# Altium PCB LimePSB-RPCM_1v5.PcbDoc (part 3 of 12)
Units mm, origin at the board's own origin, x right, y up, seen from the top; angles counter-clockwise.
Board outline 170 x 110 mm, 6 copper layers (Top, L2, L3, L4, L5, Bottom), stack 1.583 mm thick; 998 components, 580 nets, 4160 pads, 1908 vias.
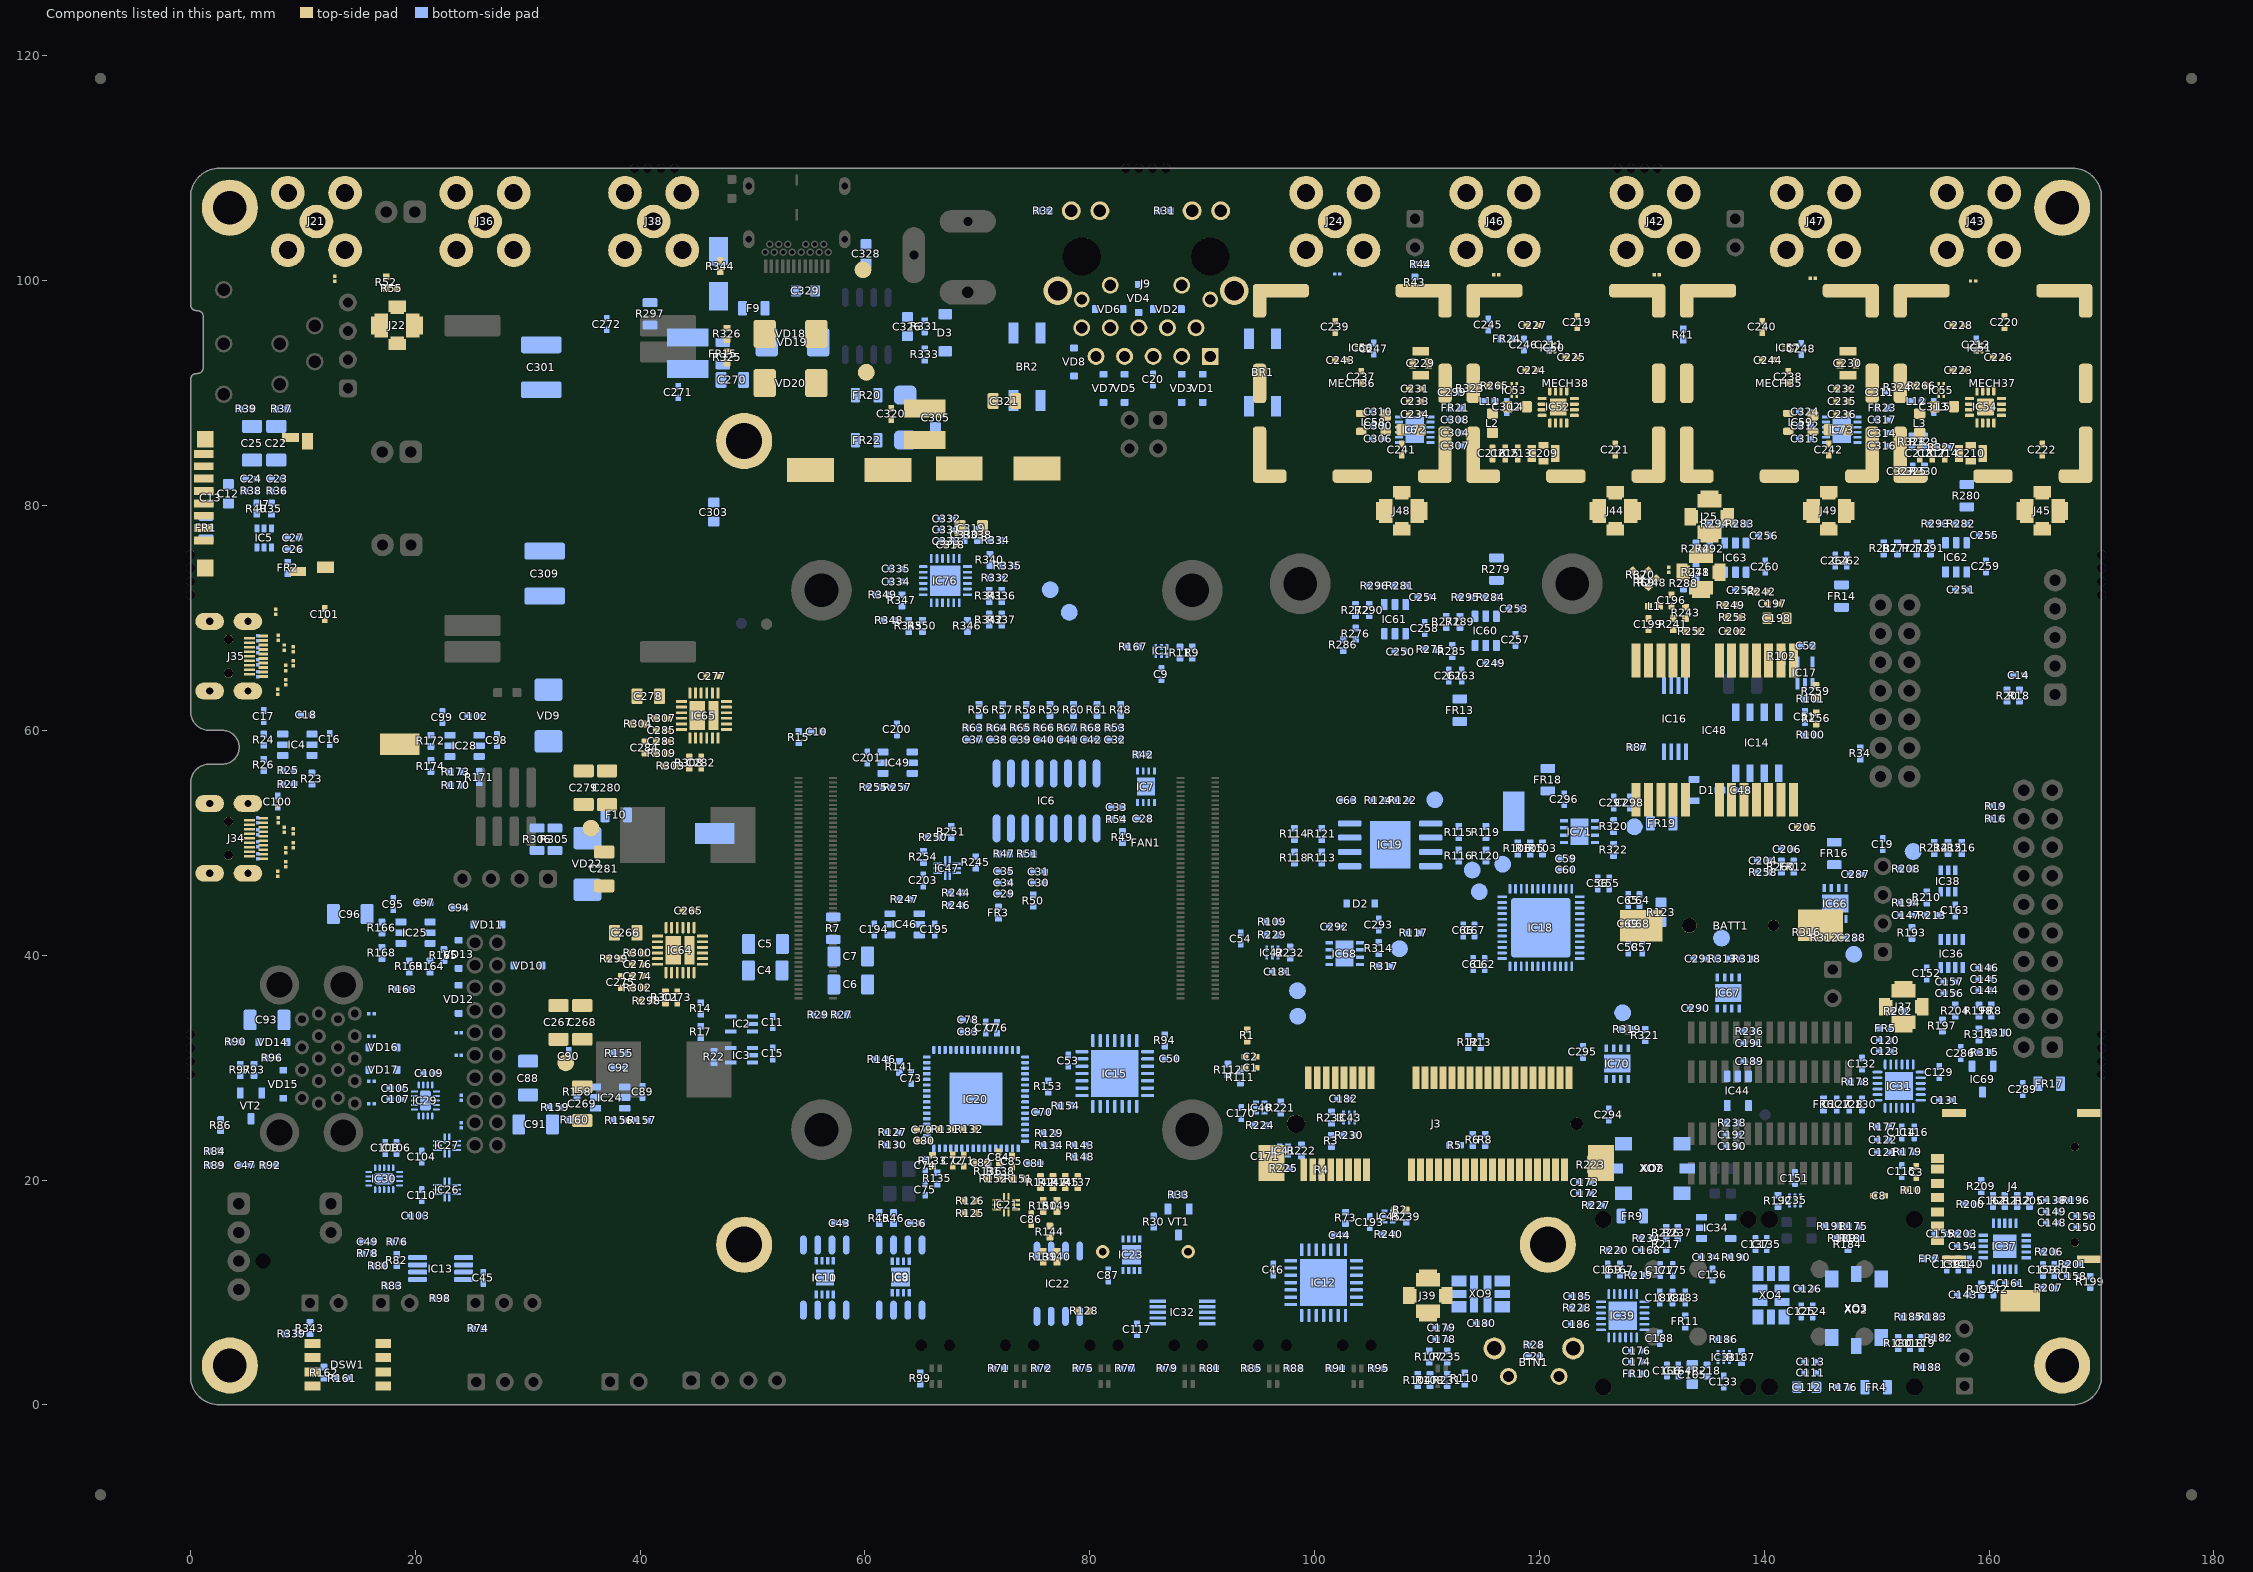
[diagram p7: the components of this part, seen from the top]

## Footprints (in the part's own frame and the unit in brackets; to place one, negate y for a bottom-side part, rotate by r counter-clockwise, add the part's x,y. Pads: shape width x height; smd on the part's side, far side on the other; paste and mask are expansions set on the pad) (continued)
LIGHT_PIPE_RIGHT_ANGLE_SLP3-200-100-F [mm]
  round 0.9 hole 1 unplated: 0(0,1.225) 0(0,-1.275)
  Top pour cut-out: 0,-1.275 -1.1,-1.275 -1.1,-1.166 -1.058,-0.954 -0.975,-0.754 -0.854,-0.573 -0.701,-0.42 -0.521,-0.3 -0.321,-0.217 -0.108,-0.175 0,-0.175 0,-0.175
  Top pour cut-out: 0,-1.275 1.1,-1.275 1.1,-1.383 1.058,-1.595 0.975,-1.796 0.854,-1.976 0.701,-2.129 0.521,-2.249 0.321,-2.332 0.108,-2.375 0,-2.375 0,-2.375
  Top pour cut-out: 0,-1.275 0,-2.375 -0.108,-2.375 -0.321,-2.332 -0.521,-2.249 -0.701,-2.129 -0.854,-1.976 -0.975,-1.796 -1.058,-1.595 -1.1,-1.383 -1.1,-1.275 -1.1,-1.275
  Top pour cut-out: 0,-1.275 0,-0.175 0.108,-0.175 0.321,-0.217 0.521,-0.3 0.701,-0.42 0.854,-0.573 0.975,-0.754 1.058,-0.954 1.1,-1.166 1.1,-1.275 1.1,-1.275
  Top pour cut-out: 0,1.225 -1.1,1.225 -1.1,1.334 -1.058,1.546 -0.975,1.746 -0.854,1.927 -0.701,2.08 -0.521,2.2 -0.321,2.283 -0.108,2.325 0,2.325 0,2.325
  Top pour cut-out: 0,1.225 1.1,1.225 1.1,1.117 1.058,0.905 0.975,0.704 0.854,0.524 0.701,0.371 0.521,0.251 0.321,0.168 0.108,0.125 0,0.125 0,0.125
  Top pour cut-out: 0,1.225 0,0.125 -0.108,0.125 -0.321,0.168 -0.521,0.251 -0.701,0.371 -0.854,0.524 -0.975,0.704 -1.058,0.905 -1.1,1.117 -1.1,1.225 -1.1,1.225
  Top pour cut-out: 0,1.225 0,2.325 0.108,2.325 0.321,2.283 0.521,2.2 0.701,2.08 0.854,1.927 0.975,1.746 1.058,1.546 1.1,1.334 1.1,1.225 1.1,1.225
  silkscreen extent 0.89,-2.29 5.3,2.21, body extent -1.07,-2.32 7.82,2.21, height 6.62
LMK00105SQ [mm] "QFN, 24-Leads, Body 4,00x4,00mm, Pitch 0,50mm, Thermal Pad 2,60x2,60mm, IPC Medium Density"
  oval 0.9x0.25 smd mask+0.05: 1(-1.925,1.25) 2(-1.925,0.75) 3(-1.925,0.25) 4(-1.925,-0.25) 5(-1.925,-0.75) 6(-1.925,-1.25) 13(1.925,-1.25) 14(1.925,-0.75) 15(1.925,-0.25) 16(1.925,0.25) 17(1.925,0.75) 18(1.925,1.25)
  oval 0.25x0.9 smd mask+0.05: 7(-1.25,-1.925) 8(-0.75,-1.925) 9(-0.25,-1.925) 10(0.25,-1.925) 11(0.75,-1.925) 12(1.25,-1.925) 19(1.25,1.925) 20(0.75,1.925) 21(0.25,1.925) 22(-0.25,1.925) 23(-0.75,1.925) 24(-1.25,1.925)
  rect 2.5x2.5 smd mask+0.05: 25(0,0)
  silkscreen extent -2.3,-2.3 2.3,2.3, body extent -2,-2 2,2, height 1
LTC5587_DFN12 [mm]
  rect 0.7x0.25 smd mask+0.05: 1(-1.4,1.125) 2(-1.4,0.675) 3(-1.4,0.225) 4(-1.4,-0.225) 5(-1.4,-0.675) 6(-1.4,-1.125) 7(1.4,-1.125) 8(1.4,-0.675) 9(1.4,-0.225) 10(1.4,0.225) 11(1.4,0.675) 12(1.4,1.125)
  rect 1.65x2.4 smd mask+0.05: PAD(0,0)
  silkscreen extent -1.45,-1.5 0.9,1.72, body extent -1.5,-1.5 1.5,1.5, height 0.76
M24128-DFMC6TG [mm] "8-UFDFPN (2x3)"
  rect 0.65x0.3 smd mask+0.045: 1(-1.4,0.75) 2(-1.4,0.25) 3(-1.4,-0.25) 4(-1.4,-0.75) 5(1.4,-0.75) 6(1.4,-0.25) 7(1.4,0.25) 8(1.4,0.75)
  rect 1.7x1.7 smd mask+0.05: PAD(0,0)
  silkscreen extent -2.06,-1.1 0.9,1.1, body extent -1.52,-1.01 1.52,0.99, height 0.9
MCP3208-CI/SL_SOIC16 [mm] "SOIC, 16-Leads, Body 9.9x3.9mm, Pitch 1.27mm, IPC Low Density"
  oval 2.5x0.7 smd: 1(-2.45,4.445) 2(-2.45,3.175) 3(-2.45,1.905) 4(-2.45,0.635) 5(-2.45,-0.635) 6(-2.45,-1.905) 7(-2.45,-3.175) 8(-2.45,-4.445) 9(2.45,-4.445) 10(2.45,-3.175) 11(2.45,-1.905) 12(2.45,-0.635) 13(2.45,0.635) 14(2.45,1.905) 15(2.45,3.175) 16(2.45,4.445)
  silkscreen extent -2.57,-5 0.8,5.47, body extent -3,-4.95 3,4.95, height 1.4
MCP23017-E/ML_QFN28 [mm]
  rrect50% 1.15x0.3 smd mask+0.05: 1(-2.925,1.95) 2(-2.925,1.3) 3(-2.925,0.65) 4(-2.925,0) 5(-2.925,-0.65) 6(-2.925,-1.3) 7(-2.925,-1.95) 15(2.925,-1.95) 16(2.925,-1.3) 17(2.925,-0.65) 18(2.925,0) 19(2.925,0.65) 20(2.925,1.3) 21(2.925,1.95)
  rrect50% 0.3x1.15 smd mask+0.05: 8(-1.95,-2.925) 9(-1.3,-2.925) 10(-0.65,-2.925) 11(0,-2.925) 12(0.65,-2.925) 13(1.3,-2.925) 14(1.95,-2.925) 22(1.95,2.925) 23(1.3,2.925) 24(0.65,2.925) 25(0,2.925) 26(-0.65,2.925) 27(-1.3,2.925) 28(-1.95,2.925)
  rect 4.2x4.2 smd mask+0.05: PAD(0,0)
  silkscreen extent -3.5,-3.5 3.5,3.5, body extent -3.05,-3.05 3.05,3.05, height 1.01
MICRO_HDMI_Wurth_685119248123 [mm] "Also compatible with Molex 0467651301 and Amphenol 10118242-001RLF"
  rect 0.23x0.85 smd mask+0.03: 1(1.8,3.425) 3(1.4,3.425) 5(1,3.425) 7(0.6,3.425) 9(0.2,3.425) 11(-0.2,3.425) 13(-0.6,3.425) 15(-1,3.425) 17(-1.4,3.425) 19(-1.8,3.425)
  rect 0.23x1 smd mask+0.03: 2(1.6,2.2) 4(1.2,2.2) 6(0.8,2.2) 8(0.4,2.2) 10(0,2.2) 12(-0.4,2.2) 14(-0.8,2.2) 16(-1.2,2.2) 18(-1.6,2.2)
  round 0.81 hole 0.81 unplated: MH1(-1.5,0.33) MH2(1.5,0.33)
  oval 1.5x2.55 hole 0.65 slot 1.7 at 90 deg: Shell(-3.1,2.06) Shell(-3.1,-1.35) Shell(3.1,2.06) Shell(3.1,-1.35)
  silkscreen extent -3.25,0.2 3.25,3.75, body extent -3.25,-3.75 3.25,3.75, height 2.99
MICRO_SD_CARD_114-00841-68_v2 [mm]
  rect 0.7x1.75 smd mask+0.1: 1(3.2,-5.412) 6(-2.3,-5.412)
  rect 0.701x1.753 smd mask+0.1: 2(2.1,-5.412) 8(-4.5,-5.412)
  rect 0.701x1.752 smd mask+0.1: 3(1,-5.412) 4(-0.1,-5.412) 5(-1.2,-5.412) 7(-3.4,-5.412)
  rect 1.501x1.501 smd mask+0.1: 9(-5.8,-5.288)
  rect 1.502x1.502 smd mask+0.1: 10(5.65,-5.288)
  rect 0.801x1.501 smd mask+0.1: 11(-5.975,2.312)
  rect 0.8x1.401 smd mask+0.1: 12(5.975,2.963)
  rect 1.5x1 smd mask+0.1: 13(-5.62,3.812)
  rect 1.001x1.502 smd mask+0.1: 14(5.575,5.413)
  Top pour cut-out: 3.8,-1 -5.3,-1 -5.3,1.6 3.8,1.6
  Top pour cut-out: 1,3.1 -3,3.1 -3,5.7 1,5.7
  silkscreen extent -6,-6.6 5.5,6.7, body extent -6,-9.9 6,5.75, height 1.6
MINIPCIE_CONNECTOR_XTRX_V2 [mm]
  rect 0.6x2 smd paste+0 mask+0: 1(-11.8,-4.5) 2(-11.4,3.7) 3(-11,-4.5) 4(-10.6,3.7) 5(-10.2,-4.5) 6(-9.8,3.7) 7(-9.4,-4.5) 8(-9,3.7) 9(-8.6,-4.5) 10(-8.2,3.7) 11(-7.8,-4.5) 12(-7.4,3.7) 13(-7,-4.5) 14(-6.6,3.7) 15(-6.2,-4.5) 16(-5.8,3.7) 17(-2.2,-4.5) 18(-1.8,3.7) 19(-1.4,-4.5) 20(-1,3.7) 21(-0.6,-4.5) 22(-0.2,3.7) 23(0.2,-4.5) 24(0.6,3.7) 25(1,-4.5) 26(1.4,3.7) 27(1.8,-4.5) 28(2.2,3.7) 29(2.6,-4.5) 30(3,3.7) 31(3.4,-4.5) 32(3.8,3.7) 33(4.2,-4.5) 34(4.6,3.7) 35(5,-4.5) 36(5.4,3.7) 37(5.8,-4.5) 38(6.2,3.7) 39(6.6,-4.5) 40(7,3.7) 41(7.4,-4.5) 42(7.8,3.7) 43(8.2,-4.5) 44(8.6,3.7) 45(9,-4.5) 46(9.4,3.7) 47(9.8,-4.5) 48(10.2,3.7) 49(10.6,-4.5) 50(11,3.7) 51(11.4,-4.5) 52(11.8,3.7)
  rect 2.3x3.2 smd paste+0 mask+0: 53(-14.65,-3.9) 54(14.65,-3.9)
  round 1.6 hole 1.6 unplated paste-1000 mask+0: ""(-12.5,-0.4)
  round 1.1 hole 1.1 unplated paste-1000 mask+0: ""(12.5,-0.4)
  silkscreen extent -15.1,-6.22 15.1,4.2, body extent -14.95,-4.98 15.3,50.4, height 6.2
MMCX_UFL_conn_u [mm]
  rect 1.2x1.2 smd mask+0.05: 1(0,1.6) 2(0,-1.6)
  rect 1.55x1 smd mask+0.05: 1(0,1.7) 2(0,-1.7)
  rect 1.2x1.6 smd mask+0.05: 2(-1.7,0) 2(1.7,0)
  rect 1.2x2.15 smd mask+0.05: 2(-1.4,0) 2(1.4,0)
  silkscreen extent -2.3,-2.2 2.3,2.2, body extent -1.5,-1.55 1.5,1.55, height 1.25
NANO_SIM_SIM8066-6-1-14-01-A [mm]
  rect 0.8x1.14 smd mask+0.05: C1(0.25,7.37) C2(-2.29,7.37) C3(-4.83,7.37) C6(-1.02,7.37) C7(-3.56,7.37)
  rect 0.8x1.14 smd mask+0.1: C5(1.52,7.37) CD(2.47,7.37)
  rect 0.7x2.1 smd: G1(-6.5,5.89) G2(6.5,5.89) G3(-6.5,-6.11) G4(6.5,-6.11)
  round 0.75 hole 0.75 unplated mask+0: ""(-5,-4.86) ""(3.5,-4.86)
  Top keep-out region: 2,3.135 0.8,3.135 0.8,5.685 2,5.685
  Top keep-out region: -3.08,-0.915 -4.28,-0.915 -4.28,2.295 -3.08,2.295
  Top keep-out region: -0.54,-0.915 -1.74,-0.915 -1.74,2.295 -0.54,2.295
  Top keep-out region: 2,-0.915 0.8,-0.915 0.8,2.295 2,2.295
  Top keep-out region: 2.285,-6.56 0.435,-6.56 0.435,-3.16 2.285,-3.16
  Top keep-out region: -0.255,-6.56 -2.105,-6.56 -2.105,-3.16 -0.255,-3.16
  Top keep-out region: -2.795,-6.56 -4.645,-6.56 -4.645,-3.16 -2.795,-3.16
  silkscreen extent -6.55,-11.25 6.55,8.59, body extent -6.54,-7.19 6.55,7.39, height 1.44
NEO-7M/8M [mm]
  rect 3x0.8 smd: 1(6.2,-7) 2(6.2,-5.9) 3(6.2,-4.8) 4(6.2,-3.7) 5(6.2,-2.6) 6(6.2,-1.5) 7(6.2,-0.4) 8(6.2,2.6) 9(6.2,3.7) 10(6.2,4.8) 11(6.2,5.9) 12(6.2,7) 13(-6.2,7) 14(-6.2,5.9) 15(-6.2,4.8) 16(-6.2,3.7) 17(-6.2,2.6) 18(-6.2,-0.4) 19(-6.2,-1.5) 20(-6.2,-2.6) 21(-6.2,-3.7) 22(-6.2,-4.8) 23(-6.2,-5.9) 24(-6.2,-7)
  silkscreen extent -8.2,-8.1 8.3,7.9, body extent -6.1,-8 6.1,8, height 2.33
NRS4018T3R3MDGJ_inductor [mm]
  rect 1.6x3.7 smd mask+0.05: 1(-1.4,0) 2(1.4,0)
  silkscreen extent -0.5,-2 0.5,2, body extent -2,-2 2,2, height 1.89
NZH10C,115_shottky_diode_SOD123 [mm]
  round 0.508 on Mech14: 0(0,0)
  rrect25% 0.91x1.22 smd: A(1.65,0) C(-1.65,0)
  silkscreen extent -1.58,-1 1.45,0.85, body extent -1.95,-0.9 1.95,0.9, height 1.18
PCB_standoff [mm]
  round 5 hole 3: MH1(0,0)
  body extent -2.86,-2.5 2.91,2.5, height 5.2
PCF85063AT_RTC_SOIC-8 [mm]
  rect 1.525x0.65 smd: 1(-2.712,1.905) 2(-2.712,0.635) 3(-2.712,-0.635) 4(-2.712,-1.905) 5(2.712,-1.905) 6(2.712,-0.635) 7(2.712,0.635) 8(2.712,1.905)
  silkscreen extent -2.58,-2.45 1.6,2.83, body extent -3,-2.45 3,2.45, height 1.75
PCF85063AT_RTC_TSSOP8 [mm]
  rect 1.5x0.35 smd mask+0.05: 1(-2.95,0.975) 2(-2.95,0.325) 3(-2.95,-0.325) 4(-2.95,-0.975) 5(2.95,-0.975) 6(2.95,-0.325) 7(2.95,0.325) 8(2.95,0.975)
  silkscreen extent -3.08,-1.5 1.75,1.68, body extent -3.2,-1.5 3.2,1.5, height 1.2
RAKON_RPT7050A [mm] "Rakon's Pluto+ ASIC"
  rect 1.5x1.2 smd: 1(2.45,2.2) 2(-2.75,2.2) 4(-2.75,-2.2) 5(2.45,-2.2)
  rect 1.4x0.9 smd: 3(-3.2,0) 6(3.2,0)
  body extent 4.15,1.8 4.25,1.9, height 0.1
RAKON_RTX5032A#1 [mm] "RAKON RTX5032A 40MHz Filter enabled, with VC, 10pin 5mm x 3.2mm"
  rect 1.35x1 smd mask+0.05: 1(-1.925,-1.15) 4(1.925,-1.15) 6(1.925,1.15) 9(-1.925,1.15)
  rect 0.7x1.35 smd paste-2 mask+0.05: 2(-0.6,-0.975) 3(0.6,-0.975) 7(0.6,0.975) 8(-0.6,0.975)
  rect 1.35x0.7 smd paste-2 mask+0.05: 5(1.925,0) 10(-1.925,0)
  silkscreen extent -3.2,-2.25 2.8,1.85, body extent -2.5,-1.6 2.5,1.6, height 0.9
RAKON_RTX5032A#2 [mm] "RAKON RTX5032A 40MHz Filter enabled, with VC, 10pin 5mm x 3.2mm"
  rect 1.35x1 smd mask+0.05: 1(-1.925,-1.15) 4(1.925,-1.15) 6(1.925,1.15) 9(-1.925,1.15)
  rect 0.7x1.35 smd mask+0.05: 2(-0.6,-0.975) 3(0.6,-0.975) 7(0.6,0.975) 8(-0.6,0.975)
  rect 1.35x0.7 smd mask+0.05: 5(1.925,0) 10(-1.925,0)
  silkscreen extent -3.2,-2.25 2.8,1.85, body extent -2.5,-1.6 2.5,1.6, height 0.9
RAKON_TXCO [mm] "30.72 MHz or 61.44 MHz"
  rect 1.5x1.2 smd: 1(2.45,2.2) 2(-2.75,2.2) 3(-2.75,-2.2) 4(2.45,-2.2)
  body extent -3.5,-2.3 3.2,2.3, height 2.4
RES0402#1 [mm] "Chip Resistor, Body 1.0x0.5mm, EIA 0402, IPC Medium Density"
  round 0.2 on Mech14: 0(0,0)
  rrect20% 0.6x0.6 smd: 1(-0.5,0) 2(0.5,0)
  Top pour cut-out: -0.2,0.35 0.2,0.35 0.2,-0.35 -0.2,-0.35
  silkscreen extent -1.05,-0.55 1.05,0.55, body extent -0.52,-0.27 0.53,0.28, height 0.4
RES0402#2 [mm] "Chip Resistor, Body 1.0x0.5mm, EIA 0402, IPC Medium Density"
  round 0.2 on Mech15: 0(0,0)
  rrect20% 0.6x0.6 smd: 1(-0.5,0) 2(0.5,0)
  Top pour cut-out: -0.2,0.35 0.2,0.35 0.2,-0.35 -0.2,-0.35
  silkscreen extent -1.05,-0.55 1.05,0.55, body extent -0.52,-0.27 0.53,0.28, height 0.4
RES0402_v2#1 [mm] "Chip Resistor, Body 1.0x0.5mm, EIA 0402, IPC Medium Density"
  round 0.2 on Mech15: 0(0,0)
  rrect20% 0.6x0.6 smd: 1(-0.5,0) 2(0.5,0)
  Top pour cut-out: -0.2,0.35 0.2,0.35 0.2,-0.35 -0.2,-0.35
  silkscreen extent -0.4,-0.55 0.4,0.55, body extent -0.52,-0.27 0.53,0.28, height 0.4
RES0402_v2#2 [mm] "Chip Resistor, Body 1.0x0.5mm, EIA 0402, IPC Medium Density"
  round 0.2 on Mech14: 0(0,0)
  rrect20% 0.6x0.6 smd: 1(-0.5,0) 2(0.5,0)
  Top pour cut-out: -0.2,0.35 0.2,0.35 0.2,-0.35 -0.2,-0.35
  silkscreen extent -0.4,-0.55 0.4,0.55, body extent -0.52,-0.27 0.53,0.28, height 0.4
RES0603#1 [mm] "Chip Resistor, Body 1.6x0.8mm, 0603, IPC Medium Density"
  round 0.254 on Mech15: 0(0,0)
  rrect25% 0.9x1 smd: 1(-0.85,0) 2(0.85,0)
  Top pour cut-out: -0.4,0.6 0.4,0.6 0.4,-0.6 -0.4,-0.6
  silkscreen extent -0.15,-0.56 0.15,0.56, body extent -0.87,-0.47 0.88,0.48, height 0.54
RES0603#2 [mm] "Chip Resistor, Body 1.6x0.8mm, 0603, IPC Medium Density"
  round 0.254 on Mech14: 0(0,0)
  rrect25% 0.9x1 smd: 1(-0.85,0) 2(0.85,0)
  Top pour cut-out: -0.4,0.6 0.4,0.6 0.4,-0.6 -0.4,-0.6
  silkscreen extent -0.15,-0.56 0.15,0.56, body extent -0.87,-0.47 0.88,0.48, height 0.54
RES0805 [mm] "Chip Resistor, Body 2.0x1.2mm, 0805, IPC Medium Density"
  round 0.254 on Mech14: 0(0,0)
  rrect25% 0.8x1.3 smd: 1(-1,0) 2(1,0)
  Top pour cut-out: -0.6,0.75 0.6,0.75 0.6,-0.75 -0.6,-0.75
  silkscreen extent -0.38,-0.64 0.38,0.64, body extent -1.1,-0.67 1.1,0.68, height 0.69
RF_SHIELD_COVER_16Px916P9_2118715-2 [mm]
  body extent -8.45,-8.45 8.45,8.45, height 4
RF_SHIELD_FRAME_16P5x16P5_2118716-2_v1 [mm]
  rrect50% 1.2x3.5 smd mask+0.05: 1(-8.25,0) 1(8.25,0)
  rrect50% 1.2x5 smd mask+0.05: 1(-8.25,-6.35) 1(8.25,-6.35)
  rrect50% 1.2x3 smd mask+0.05: 1(-8.25,7.35) 1(8.25,7.35)
  rrect50% 3x1.2 smd mask+0.05: 1(-7.35,-8.25) 1(7.35,-8.25)
  rrect50% 5x1.2 smd mask+0.05: 1(-6.35,8.25) 1(6.35,8.25)
  rrect50% 3.5x1.2 smd mask+0.05: 1(0,-8.25)
  body extent -8.25,-8.25 8.25,8.25, height 3.6
RJ45_ETHERNET_MAG_A70-112-331N126 [mm]
  rect 1.508x1.508 hole 1: 1(-5.715,6.475)
  round 1.508 hole 1: 2(-4.445,3.935) 3(-3.175,6.475) 4(-1.905,3.935) 5(-0.635,6.475) 6(0.635,3.935) 7(1.905,6.475) 8(3.175,3.935) 9(4.445,6.475) 10(5.715,3.935) 12(-3.175,0.145) 13(3.175,0.145)
  round 1.408 hole 0.9: 11(-5.715,1.415) 14(5.715,1.415)
  round 1.68 hole 1.12: 15(-6.64,-6.475) 16(-4.1,-6.475) 17(4.1,-6.475) 18(6.64,-6.475)
  round 2.55 hole 1.7: S1(-7.85,0.635) S2(7.85,0.635)
  round 3.35 hole 3.4 unplated: ""(-5.715,-2.415) ""(5.715,-2.415)
  KeepOutLayer region: -6.875,-2.415 -7.85,-2.415 -7.85,-0.415 -6.875,-0.415
  KeepOutLayer region: 7.85,-2.415 6.875,-2.415 6.875,-0.415 7.85,-0.415
  KeepOutLayer region: 7.005,-13.165 -7.005,-13.165 -7.005,-10.465 7.005,-10.465
  silkscreen extent -8.6,-13.16 7.95,8.19, body extent -8.07,-13.29 8.13,8.21, height 13.65
S25FL164K_WSON8_DFN6 [mm] "WSON8 and DFN8 6x5mm compatible footprint"
  rrect50% 2.1x0.55 smd mask+0.05: 1(-3.6,1.905) 2(-3.6,0.635) 3(-3.6,-0.635) 4(-3.6,-1.905) 5(3.6,-1.905) 6(3.6,-0.635) 7(3.6,0.635) 8(3.6,1.905)
  rect 3.6x4.2 smd mask+0.05: PAD(0,0)
  silkscreen extent -4.73,-2.7 2,2.72, body extent -4.15,-3 3.95,3, height 1.75
SC-70_NC7WZ16P6X [mm] "SC-70 (SOT323), 6 pin"
  round 0.5 on Mech14: 0(0,0)
  rrect25% 0.7x0.45 smd: 1(-0.85,0.65) 2(-0.85,0) 3(-0.85,-0.65) 4(0.85,-0.65) 5(0.85,0) 6(0.85,0.65)
  silkscreen extent -1.15,-1.1 0.3,1.5, body extent -1.05,-1 1.05,1, height 0.92
SK32A-L_DIODE_DO-214AC#1 [mm]
  round 0.508 on Mech14: 0(0,0)
  rrect25% 2x2.5 smd: A(2.3,0) K(-2.3,0)
  silkscreen extent -3.5,-2.2 3.5,1.7, body extent -2.7,-1.8 2.7,1.8, height 2.3
SK32A-L_DIODE_DO-214AC#2 [mm]
  round 0.508 on Mech15: 0(0,0)
  rrect25% 2x2.5 smd: A(2.3,0) K(-2.3,0)
  silkscreen extent -3.5,-2.2 3.5,1.7, body extent -2.7,-1.8 2.7,1.8, height 2.3
SMA_connector_side [mm]
  round 3 hole 1.6: 1(0,0) 2(-2.55,2.55) 2(-2.55,-2.55) 2(2.55,-2.55) 2(2.55,2.55)
  silkscreen extent -4.4,-4.3 4.4,4.3, body extent -15.8,-3.2 3.2,3.2, height 9.6
SMAJ12CA-13-F [mm]
  rect 2.5x1.7 smd: A(-2.05,0) K(1.95,0)
  silkscreen extent -3.7,-1.83 3.6,1.45, body extent -2.65,-1.3 2.65,1.3, height 1.79
SMAJ58A_SHOTTKY_DIODE [mm]
  rrect50% 1.7x2 smd mask+0.05: A(-2,0) K(2,0)
  silkscreen extent -3.1,-1.45 3.13,1.3, body extent -2.65,-1.3 2.65,1.3, height 2.89
SOD323 [mm] "SOD-323; 2 Leads; Body 1.8 x 1.35 mm, (LxW)"
  round 0.508 on Mech14: 0(0,0)
  rrect25% 0.6x0.7 smd: A(1.25,0) K(-1.25,0)
  silkscreen extent -0.63,-0.9 0.64,0.75, body extent -1.3,-0.68 1.3,0.67, height 1.1
SOIC127P600-8DL_v2 [mm] "8-Pin Small Outline Integrated Circuit 1.27 mm Pitch"
  oval 1.7x0.6 smd: 1(-2.95,1.905) 2(-2.95,0.635) 3(-2.95,-0.635) 4(-2.95,-1.905) 5(2.85,-1.905) 6(2.85,-0.635) 7(2.85,0.635) 8(2.85,1.905)
  silkscreen extent -2.57,-2.5 1.2,2.88, body extent -3,-2.45 3,2.45, height 1.75
SOT23-3 [mm] "SOT23, 3 pin"
  round 0.5 on Mech14: 0(0,0)
  rrect25% 1x0.6 smd: D(1.15,0) G(-1.15,0.95) S(-1.15,-0.95)
  silkscreen extent -1.25,-1.45 0.38,1.81, body extent -1.4,-1.45 1.4,1.45, height 1.29
SOT23-3_v2 [mm] "SOT23, 3 pin"
  round 0.5 on Mech14: 0(0,0)
  rrect25% 1x0.6 smd: 1(-1.15,0.95) 2(-1.15,-0.95) 3(1.15,0)
  silkscreen extent -1.25,-1.45 0.38,1.81, body extent -1.4,-1.45 1.4,1.45, height 1.29
SOT23-5 [mm]
  round 0.5 on Mech14: 0(0,0)
  rrect25% 1x0.6 smd: 1(-1.3,0.95) 2(-1.3,0) 3(-1.3,-0.95) 4(1.3,-0.95) 5(1.3,0.95)
  silkscreen extent -1.42,-1.35 0.51,1.81, body extent -1.4,-1.45 1.4,1.45, height 1.44
SOT23-6 [mm]
  round 0.5 on Mech14: 0(0,0)
  rrect25% 1x0.6 smd: 1(-1.3,0.95) 2(-1.3,0) 3(-1.3,-0.95) 4(1.3,-0.95) 5(1.3,0) 6(1.3,0.95)
  silkscreen extent -1.42,-1.35 0.51,1.81, body extent -1.4,-1.45 1.4,1.45, height 1.44
SPF5043Z_SOT-343 [mm]
  rrect50% 0.65x0.95 smd mask+0.05: 1(-0.8,-1.1) 3(0.8,1.1) 4(-0.8,1.1)
  rrect50% 1x0.95 smd mask+0.05: 2(0.625,-1.1)
  silkscreen extent -1.5,-1.92 1.5,0.5, body extent -1.1,-1.1 1.1,1.1, height 1
SW_4WAY_SMD_1P27 [mm] "DIP Switch; 8 Leads, 1.27 pitch"
  rect 0.8x1.4 smd: 1(-1.905,-3.15) 2(-0.635,-3.15) 3(0.635,-3.15) 4(1.905,-3.15) 5(1.905,3.15) 6(0.635,3.15) 7(-0.635,3.15) 8(-1.905,3.15)
  silkscreen extent -2.96,-1.9 2.92,1.9, body extent -3.15,-3.54 3.16,3.44, height 1.5